# Altium PCB G431_Dev_V2.PcbDoc (part 2 of 2)
Units mil, origin at the board's own origin, x right, y up, seen from the top; angles counter-clockwise.
Board outline 1968.5 x 2618.11 mil, 4 copper layers (Top Layer, G1, G2, Bottom Layer), stack 46.904 mil thick; 148 components, 99 nets, 1156 pads, 217 vias.
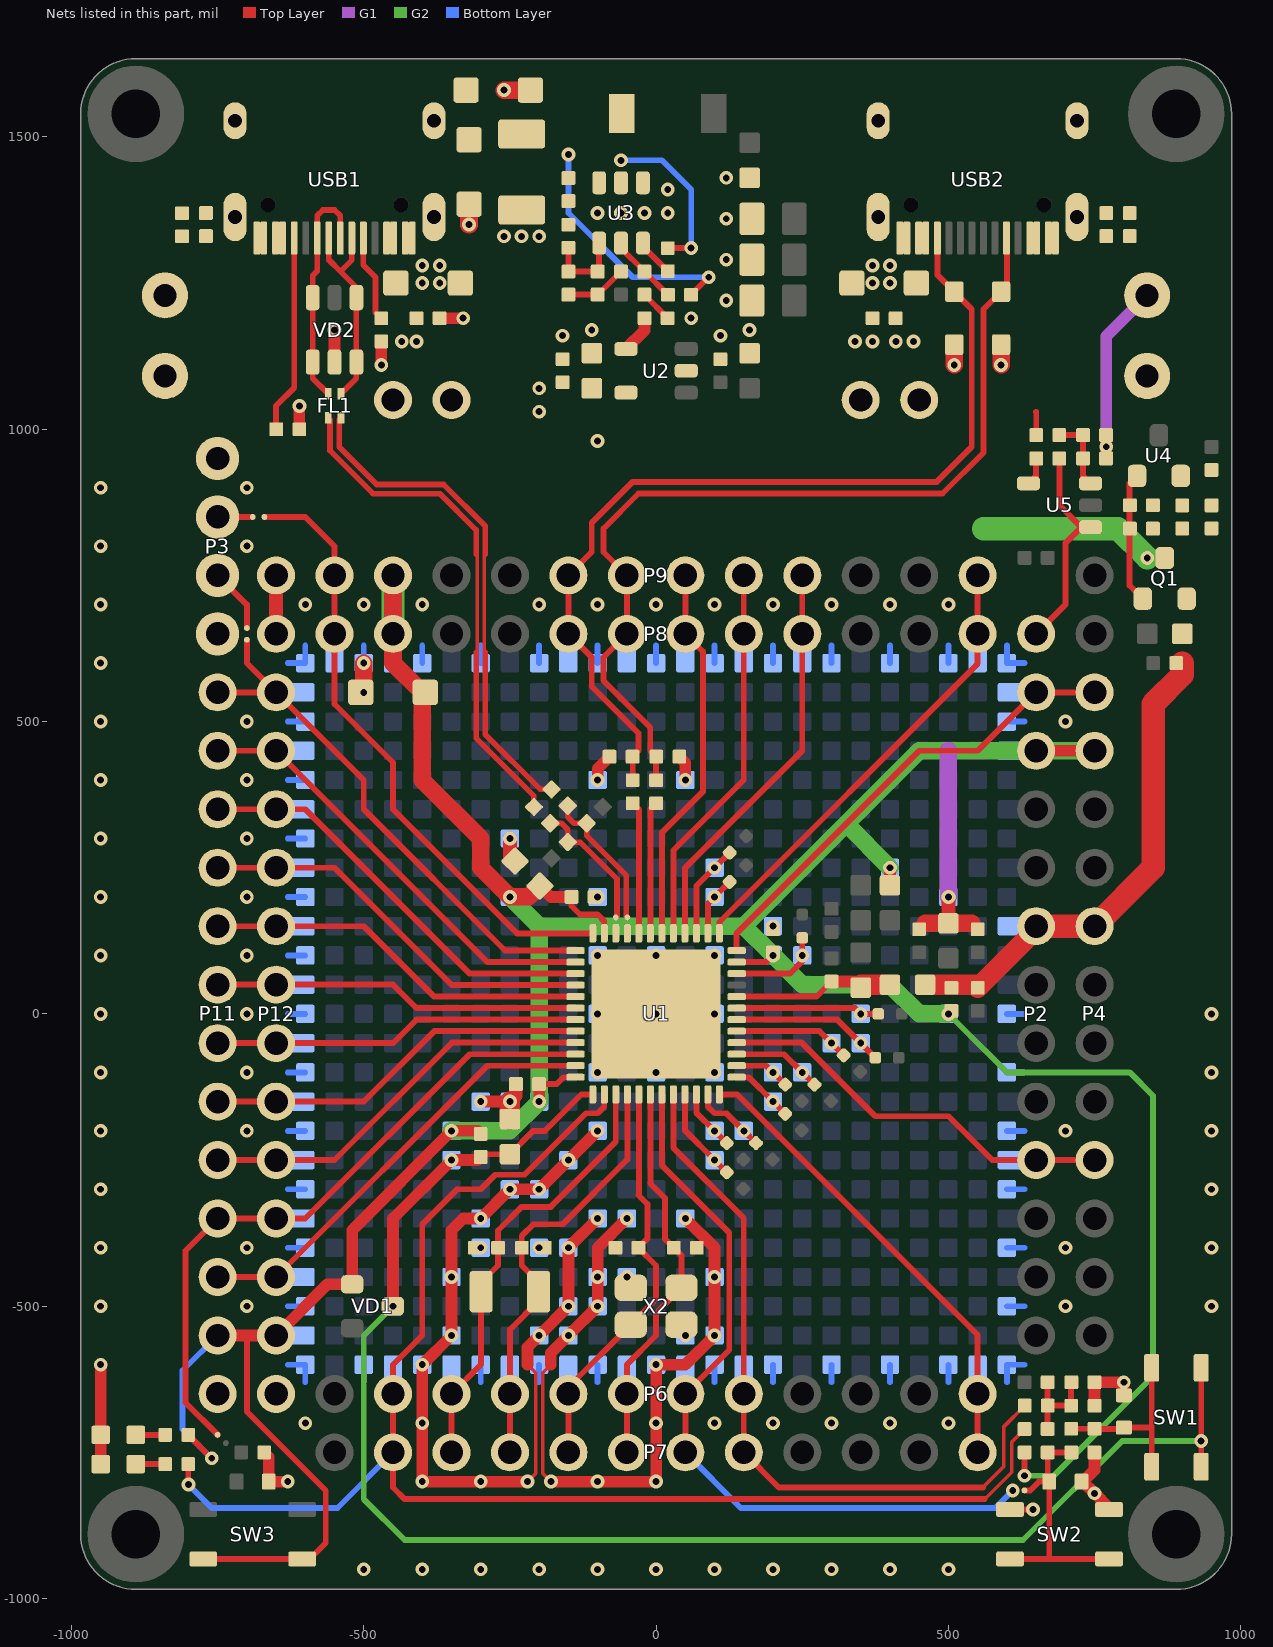
[diagram p4: the nets of this part, all layers, seen from the top]

## Via types
v1: diameter 23.62, hole 11.81, Top Layer to Bottom Layer, tented both sides, 217 vias

## Nets (pads, with @x,y where several pads share a name; then routed paths per layer and width w, separated by ;. In a path a pad name is that pad's centre, name@x,y a point inside that pad or via, vN(x,y) a via of type N, cw(c..) or ccw(c..) an arc to the next point about the centre after c; other vN are vias at no path point) (continued)
GND: C6.1 C7.1 C8.1 C9.1 C10.1 C11.1 C12.1 C13.1 C14.2 C15.2 C16.2 C17.2 C18.2 C19.1 C20.1 C21.2 C22.2 C23.2 C25.2 C26.2 C27.2 C28.2 C29.2 C31.1 C32.2 C33.2 C38.2 C39.2 C40.1 C41.1 D2.1 D3.1 D4.1 D5.1 D6.1 D7.1 D10.1 D11.1 L3.1 LED1.2 LED2.2 P1.2 P3.4 P5.2 P14.1 P14.2 P15.1 P16.2 P17.1 P17.2 pad.@0,0 pad.@0,100 pad.@0,600 pad.@0,-100 pad.@0,-600 pad.@50,400 pad.@50,-350 pad.@50,-550 pad.@100,0 pad.@100,100 pad.@100,600 pad.@100,-100 pad.@100,-450 pad.@100,-550 pad.@100,-600 pad.@200,150 pad.@200,600 pad.@200,-600 pad.@300,600 pad.@300,-600 pad.@400,600 pad.@400,-600 pad.@500,200 pad.@500,600 pad.@500,-600 pad.@600,0 pad.@600,500 pad.@600,600 pad.@600,-100 pad.@600,-200 pad.@600,-300 pad.@600,-400 pad.@600,-500 pad.@600,-600 pad.@-50,-350 pad.@-50,-450 pad.@-100,0 pad.@-100,100 pad.@-100,200 pad.@-100,400 pad.@-100,600 pad.@-100,-100 pad.@-100,-200 pad.@-100,-350 pad.@-100,-450 pad.@-100,-500 pad.@-100,-600 pad.@-150,-250 pad.@-150,-400 pad.@-150,-500 pad.@-150,-550 pad.@-200,600 pad.@-200,-300 pad.@-200,-400 pad.@-200,-550 pad.@-200,-600 pad.@-250,300 pad.@-250,-150 pad.@-250,-300 pad.@-300,600 pad.@-300,-150 pad.@-300,-350 pad.@-300,-400 pad.@-300,-600 pad.@-350,-450 pad.@-350,-550 pad.@-400,600 pad.@-400,-600 pad.@-500,550 pad.@-500,600 pad.@-500,-600 pad.@-600,0 pad.@-600,100 pad.@-600,200 pad.@-600,300 pad.@-600,400 pad.@-600,500 pad.@-600,600 pad.@-600,-100 pad.@-600,-200 pad.@-600,-300 pad.@-600,-400 pad.@-600,-500 pad.@-600,-600 R5.1 R7.2 R9.2 R19.2 R20.2 R28.2 R34.2 R36.1 R49.1 R50.2 SW2.3 SW2.4 U1.49 U2.2 U3.1 USB1.A1 USB1.A12 USB1.B1 USB1.B12 USB2.A1 USB2.A12 USB2.B1 USB2.B12 VD2.2 X2.2 X2.4 | length 6103.9
  Top Layer w6: v1(-220,-800) -206,-786 -206,-614 -220,-600 ; v1(-180,-800) -194,-786 -194,-614 -180,-600
  Top Layer w10: R20.2@-20,1229.69 C33.2@19.68,1190 ; SW2.4@605.35,-847.68 v1@644.84,-847.68
  Top Layer w20: LED2.2@-950,-770 LED1.2@-950,-720 v1(-950,-600) ; R9.2@-670.32,-750 -662.44,-757.87 D4.1@-662.44,-800 v1(-630,-800) ; R50.2@-610.32,1000 -610.32,1039.69 v1(-610,1040) ; VD2.2@-550,1114.88 v1(-550,1170) ; v1(-470,1110) R49.1@-470,1150.31 ; C16.2@-370.32,1190 v1(-330,1190) ; v1(-300,-150) v1(-250,-150) -240,-140 ; v1(-220,-800) v1(-300,-800) v1(-400,-800) v1(-400,-700) v1(-400,-600) v1(-350,-550) v1(-350,-450) -350,-370 -330,-350 v1(-300,-350) v1(-250,-300) v1(-200,-300) v1(-150,-250) v1(-100,-200) ; -220,-600 -220,-570 v1(-200,-550) v1(-150,-500) v1(-150,-400) v1(-100,-350) ; v1(-180,-800) v1(-100,-800) v1(0,-800) v1(0,-700) v1(0,-600) 50,-600 v1(100,-550) v1(100,-450) 100,-400 v1(50,-350) ; -180,-600 -180,-580 v1(-150,-550) v1(-100,-500) v1(-100,-450) -100,-400 v1(-50,-350) ; v1(-100,400) -100,419.69 C31.1@-79.68,440 ; C32.2@39.68,440 50,429.69 v1(50,400) ; C21.2@450,144.69 C21.2@460.31,155 ; R28.2@539.69,155 R28.2@550,144.69 ; C20.1@749.69,-750 749.69,-780.32 730,-800 v1(750,-820) 774.65,-844.65 SW2.3@774.65,-847.68 ; R7.2@750,-670.32 750,-630 v1(800,-630) D2.1@800,-652.44 ; C38.2@769.69,950 R34.2@769.69,990
  Top Layer w23: -240,-140 -239.68,-139.68 C10.1@-239.68,-120
  Top Layer w23.62: P17.1@-650,650 P17.2@-650,750 ; v1(-250,300) -250,270 C7.1@-241.21,261.21 ; L3.1@500,155 v1(500,200)
  Top Layer w30: v1(-500,550) v1(-500,600) ; C21.2@460.31,155 L3.1@500,155 R28.2@539.69,155 ; v1(510,1110) D5.1@510,1144.72 ; v1(590,1110) D6.1@590,1144.72
  Top Layer w35: C6.1@-250,-180 v1(-250,-150)
  G1 w20: v1(770,970) 770,1158.9 P16.2@840,1228.9
  G1 w30: v1(500,200) 500,450
  Bottom Layer w10: -630,-600 pad.@-600,-600 -600,-630 ; -630,-500 pad.@-600,-500 ; -630,-400 pad.@-600,-400 ; -630,-300 pad.@-600,-300 ; -630,-200 pad.@-600,-200 ; -630,-100 pad.@-600,-100 ; -630,0 pad.@-600,0 ; -630,100 pad.@-600,100 ; -630,200 pad.@-600,200 ; -630,300 pad.@-600,300 ; -630,400 pad.@-600,400 ; -630,500 pad.@-600,500 ; -630,600 pad.@-600,600 -600,630 ; -500,-630 pad.@-500,-600 ; v1(-500,600) -500,630 ; -400,-630 v1(-400,-600) ; pad.@-400,600 -400,630 ; -300,-630 pad.@-300,-600 ; pad.@-300,600 -300,630 ; -200,-630 pad.@-200,-600 ; pad.@-200,600 -200,630 ; -100,-630 pad.@-100,-600 ; pad.@-100,600 -100,630 ; 0,-630 v1(0,-600) ; pad.@0,600 0,630 ; 100,-630 pad.@100,-600 ; pad.@100,600 100,630 ; 200,-630 pad.@200,-600 ; pad.@200,600 200,630 ; 300,-630 pad.@300,-600 ; pad.@300,600 300,630 ; 400,-630 pad.@400,-600 ; pad.@400,600 400,630 ; 500,-630 pad.@500,-600 ; pad.@500,600 500,630 ; 600,-630 pad.@600,-600 630,-600 ; pad.@600,-500 630,-500 ; pad.@600,-400 630,-400 ; pad.@600,-300 630,-300 ; pad.@600,-200 630,-200 ; pad.@600,-100 630,-100 ; pad.@600,0 630,0 ; pad.@600,500 630,500 ; 600,630 pad.@600,600 630,600
  other v1: -500,-950 -400,-950 -300,-950 -200,-950 -100,-950 0,-950 100,-950 200,-950 300,-950 400,-950 500,-950 644.87,-847.7 -600,-700 100,-700 200,-700 300,-700 400,-700 500,-700 50,-550 -950,-500 -700,-500 700,-500 950,-500 -50,-450 -950,-400 -700,-400 -300,-400 -200,-400 700,-400 950,-400 -950,-300 950,-300 -950,-200 -700,-200 700,-200 950,-200 -950,-100 -700,-100 -100,-100 0,-100 100,-100 950,-100 -950,0 -700,0 -100,0 0,0 100,0 950,0 -950,100 -700,100 -100,100 0,100 100,100 200,150 -950,200 -700,200 -100,200 -950,300 -700,300 -950,400 -700,400 -950,500 -700,500 700,500 -950,600 -950,700 -600,700 -500,700 -400,700 -200,700 -100,700 0,700 100,700 200,700 300,700 400,700 500,700 -950,800 -700,800 -950,900 -700,900 -100,980 340,1150 370,1150 -160,1160 110,1160 -110,1170 160,1170 60,1190 120,1220 -400,1250 -370,1250 370,1250 400,1250 -400,1280 -370,1280 370,1280 400,1280 120,1290 -260,1330 -230,1330 -200,1330 120,1360 -100,1370 -60,1370 -20,1370 20,1370 20,1410 120,1430
NetC11_2: C11.2 R5.2 USB1.1 USB1.2 USB1.3 USB1.4
NetC19_2: C19.2 R6.1 R23.2 R24.2 R25.2 | length 160.1
  Top Layer w10: R23.2@669.69,-710 669.69,-670.32 R24.2@670,-670 709.69,-670 709.69,-630.63 C19.2@710.31,-630 ; R24.2@669.69,-670 R25.2@669.69,-630
NetC22_1: C22.1 C23.1 D8.2 D9.2 R3.1 U3.3 | length 428.3
  Top Layer w10: R3.1@59.68,1230 89.68,1260 v1(90,1260)
  Bottom Layer w10: v1(-150,1470) -150,1370 -40,1260 v1(90,1260)
NetC24_1: C24.1 U3.6 | length 65.8
  Top Layer w10: U3.6@-22.6,1318.43 -22.6,1312.91 C24.1@20,1270.31
NetC24_2: C24.2 L4.1 U3.2 | length 280.8
  Top Layer w10: C24.2@20,1309.69 20.32,1310 v1(60,1310)
  Bottom Layer w10: v1(-60,1460) 10,1460 60,1410 v1(60,1310)
NetC30_1: C30.1 R1.2 R16.1 | length 106.3
  Top Layer w10: R16.1@-150,1230.31 C30.1@-100,1230.31 -99.37,1230.31 R1.2@-60,1269.69
NetC30_2: C30.2 R16.2 R19.1 U3.4 | length 140.4
  Top Layer w10: R19.1@-150,1310.31 R16.2@-150,1269.69 C30.2@-100,1269.69 -97.4,1272.28 U3.4@-97.4,1318.43
NetC33_1: C33.1 U2.4 | length 65.8
  Top Layer w20: U2.4@-51.57,1137.4 -19.68,1169.29 C33.1@-19.68,1190
NetC34_1: C34.1 R30.1 R31.1 R32.2 U4.2
NetC34_2: C34.2 Q1.1 R29.1 U4.1 | length 224.7
  Top Layer w10: C34.2@810,870 810,907.56 U4.1@822.6,920.16 ; C34.2@810.31,870 810,869.69 810,732.76 Q1.1@832.6,710.16
NetC38_1: C38.1 R33.1 R34.1 U5.3 | length 128.5
  Top Layer w10: R33.1@689.69,990 R34.1@730.31,990 C38.1@730.31,950 730.31,920.24 U5.3@743.15,907.4
NetC40_2: C40.2 R36.2 USB2.1 USB2.2 USB2.3 USB2.4
NetD2_2: D2.2 R6.2 R7.1 SW1.1 SW1.2 | length 307.2
  Top Layer w10: R6.2@710,-710 710.31,-709.68 R7.1@750,-709.68 750.31,-710 D2.2@800,-710 ; D2.2@800,-707.56 847.68,-707.56 ; SW1.1@847.68,-774.65 847.68,-707.56 ; SW1.2@847.68,-605.35 847.68,-707.56
NetLED1_1: LED1.1 R2.2 | length 50.3
  Top Layer w10: LED1.1@-890,-720 R2.2@-839.68,-720
NetLED2_1: LED2.1 R4.2 | length 50.3
  Top Layer w10: LED2.1@-890,-770 R4.2@-839.68,-770
NetP13_1: P13.1 R35.1 U5.1 | length 363.4
  Top Layer w10: P13.1@650,650 700,700 700,805.2 U5.1@727.4,832.6 ; R35.1@689.69,950 689.69,870.31 U5.1@727.4,832.6 ; U5.1@743.15,832.6 U5.1@727.4,832.6
NetR3_2: R3.2 R20.1 U3.5 | length 122.1
  Top Layer w10: U3.5@-60,1318.43 -60,1309.69 R20.1@-20,1269.69 19.68,1230 R3.2@20.32,1230
NetR35_2: R35.2 U5.4 | length 48
  Top Layer w10: U5.4@636.85,907.4 650,920.55 R35.2@650,950
NetR49_2: R49.2 USB1.A5 | length 150.1
  Top Layer w10: USB1.A5@-500.79,1327.05 -500.79,1280.79 -480,1260 -480,1199.69 R49.2@-470,1189.69
NetR50_1: R50.1 USB1.B5 | length 339.9
  Top Layer w10: R50.1@-650,1000 -650,1040 -618.9,1071.1 USB1.B5@-618.9,1327.05
NRST: C20.2 D3.2 NT6.1 R8.2 SW2.1 SW2.2 | length 438.1
  Top Layer w10: SW2.2@605.35,-932.32 672.44,-932.32 ; NT6.1@630,-815 640,-815 655,-800 670,-800 670,-750 C20.2@710.31,-750 ; D3.2@672.44,-800 672.44,-932.32 ; SW2.1@774.65,-932.32 672.44,-932.32
PA0: P6.8 P7.8 pad.@150,-600 pad.@150,-625 R24.1 U1.8 | length 1265.6
  Top Layer w6: 559,-810 595,-774 595,-705.63 R24.1@630.63,-670
  Top Layer w10: U1.8@29.53,-137.79 29.53,-228.75 150,-349.22 P6.8@150,-650 P7.8@150,-750 210,-810 559,-810
PA1: pad.@100,-250 R37.1 U1.9 | length 162.7
  Top Layer w10: U1.9@49.21,-137.79 49.21,-199.21 v1(100,-250) R37.1@120.86,-270.86
PA2: pad.@100,-200 R38.1 U1.10 | length 104.6
  Top Layer w10: U1.10@68.9,-137.79 68.9,-168.9 v1(100,-200) R38.1@120.86,-220.86
PA3: pad.@150,-200 R40.1 U1.11 | length 129.3
  Top Layer w10: U1.11@88.58,-137.79 88.58,-158.58 100,-170 120.78,-170 120.78,-170.78 v1(150,-200) R40.1@170.86,-220.86
PA4: P6.12 P7.12 pad.@550,-600 pad.@550,-625 U1.12 | length 812.9
  Top Layer w10: U1.12@108.27,-137.79 138.57,-137.79 550,-549.22 P6.12@550,-650 P7.12@550,-750
PA5: pad.@200,-150 R42.2 U1.13 | length 109
  Top Layer w10: U1.13@137.8,-108.27 158.27,-108.27 v1(200,-150) R42.2@220.86,-170.86
PA6: pad.@200,-100 R43.2 U1.14 | length 96.4
  Top Layer w10: U1.14@137.8,-88.58 188.58,-88.58 v1(200,-100) R43.2@220.86,-120.86
PA7: pad.@250,-100 R44.2 U1.15 | length 154.6
  Top Layer w10: U1.15@137.8,-68.9 218.9,-68.9 v1(250,-100) R44.2@270.86,-120.86
PA8: P8.7 P9.7 pad.@50,600 pad.@50,625 U1.30 | length 653.7
  Top Layer w10: U1.30@9.84,137.8 9.84,309.84 80,380 80,620 P8.7@50,650 P9.7@50,750
PA9: R10.2 U1.31 | length 226.6
  Top Layer w10: U1.31@-9.84,137.8 -9.84,350.48 R10.2@0,360.31
PA10: R11.2 U1.32 | length 226.9
  Top Layer w10: R11.2@-40,360.31 -29.53,349.85 U1.32@-29.53,137.8
PA11: NT1.1 U1.33
PA12: NT4.1 U1.34 | length 0
PA13: NT2.1 P8.1 P9.1 pad.@-550,600 pad.@-550,625 U1.36 | length 1061.8
  Top Layer w10: NT2.1@-670,850 -600,850 -550,800 P9.1@-550,750 P8.1@-550,650 -550,530 -450,430 -450,350 -237.8,137.8 U1.36@-108.27,137.8
PA14: NT3.1 P11.12 P12.12 pad.@-600,550 pad.@-625,550 U1.37 | length 935.2
  Top Layer w10: P11.12@-750,550 P12.12@-650,550 ; NT3.1@-700,640 -700,600 P12.12@-650,550 ; U1.37@-137.8,108.27 -258.27,108.27 -500,350 -500,400 P12.12@-650,550
PA15: P11.11 P12.11 pad.@-600,450 pad.@-625,450 U1.38 | length 761.9
  Top Layer w10: P11.11@-750,450 P12.11@-650,450 -288.58,88.58 U1.38@-137.8,88.58
PB0: pad.@300,-50 R45.2 U1.17 | length 200.2
  Top Layer w10: U1.17@137.8,-29.53 279.53,-29.53 v1(300,-50) R45.2@320.86,-70.86
PB1: pad.@350,-50 R46.2 U1.18 | length 264.2
  Top Layer w10: U1.18@137.8,-9.84 309.84,-9.84 v1(350,-50) R46.2@375,-75
PB2: pad.@350,0 R47.2 U1.19 | length 246.3
  Top Layer w10: U1.19@137.8,9.84 340.16,9.84 v1(350,0) R47.2@380,0
PB3: P11.8 P12.8 pad.@-600,150 pad.@-625,150 U1.41 | length 662.1
  Top Layer w10: P11.8@-750,150 P12.8@-650,150 -500,150 -379.53,29.53 U1.41@-137.8,29.53
PB4: P11.7 P12.7 pad.@-600,50 pad.@-625,50 U1.42 | length 628.8
  Top Layer w10: P11.7@-750,50 P12.7@-650,50 -450,50 -409.84,9.84 U1.42@-137.8,9.84
PB5: P11.6 P12.6 pad.@-600,-50 pad.@-625,-50 U1.43 | length 628.8
  Top Layer w10: P11.6@-750,-50 P12.6@-650,-50 -450,-50 -409.84,-9.84 U1.43@-137.8,-9.84
PB6: P11.5 P12.5 pad.@-600,-150 pad.@-625,-150 U1.44 | length 662.1
  Top Layer w10: P11.5@-750,-150 P12.5@-650,-150 -500,-150 -379.53,-29.53 U1.44@-137.8,-29.53
PB7: P11.4 P12.4 pad.@-600,-250 pad.@-625,-250 U1.45 | length 695.4
  Top Layer w10: P11.4@-750,-250 P12.4@-650,-250 -550,-250 -349.21,-49.21 U1.45@-137.8,-49.21
PB8/BOOT0: NT5.1 P11.3 P12.3 pad.@-600,-350 pad.@-625,-350 U1.46 | length 1144.2
  Top Layer w10: NT5.1@-750,-720 -805,-665 -805,-405 P11.3@-750,-350 P12.3@-650,-350 -600,-350 -318.9,-68.9 U1.46@-137.8,-68.9
PB9: P11.2 P12.2 pad.@-600,-450 pad.@-625,-450 U1.47 | length 761.9
  Top Layer w10: P11.2@-750,-450 P12.2@-650,-450 -288.58,-88.58 U1.47@-137.8,-88.58
PB10: pad.@250,100 R48.2 U1.22 | length 160.9
  Top Layer w10: U1.22@137.8,68.9 228.9,68.9 250,90 v1(250,100) R48.2@250,130
PB11: P2.12 P4.12 pad.@600,550 pad.@625,550 U1.24 | length 812.5
  Top Layer w10: U1.24@137.8,108.27 137.8,137.8 450,450 550,450 P2.12@650,550 P4.12@750,550
PB12: P8.12 P9.12 pad.@550,600 pad.@550,625 U1.25 | length 795.2
  Top Layer w10: U1.25@108.27,137.8 108.27,157.34 550,599.07 P8.12@550,650 P9.12@550,750
PB13: pad.@100,200 R41.2 U1.26 | length 103.5
  Top Layer w10: U1.26@88.58,137.8 88.58,188.58 v1(100,200) R41.2@125.86,225.86
PB14: pad.@100,250 R39.2 U1.27 | length 161.7
  Top Layer w10: U1.27@68.9,137.8 68.9,218.9 v1(100,250) R39.2@125.86,275.86
PB15: P8.9 P9.9 pad.@250,600 pad.@250,625 U1.28 | length 695.4
  Top Layer w10: U1.28@49.21,137.8 49.21,249.21 250,450 P8.9@250,650 P9.9@250,750
PC4: P2.4 P4.4 pad.@600,-250 pad.@625,-250 U1.16 | length 695.4
  Top Layer w10: U1.16@137.8,-49.21 249.21,-49.21 375,-175 500,-175 575,-250 P2.4@650,-250 P4.4@750,-250
PC6: P8.8 P9.8 pad.@150,600 pad.@150,625 U1.29 | length 662.1
  Top Layer w10: U1.29@29.53,137.8 29.53,279.53 150,400 P8.8@150,650 P9.8@150,750
PC10: P11.10 P12.10 pad.@-600,350 pad.@-625,350 U1.39 | length 728.6
  Top Layer w10: P11.10@-750,350 P12.10@-650,350 -600,350 -318.9,68.9 U1.39@-137.8,68.9
PC11: P11.9 P12.9 pad.@-600,250 pad.@-625,250 U1.40 | length 695.4
  Top Layer w10: P11.9@-750,250 P12.9@-650,250 -550,250 -349.21,49.21 U1.40@-137.8,49.21
PC13: P6.2 P7.2 pad.@-450,-600 pad.@-450,-625 R4.1 R23.1 U1.2 | length 2486
  Top Layer w6: 562,-830 608,-784 608,-732.32 R23.1@630.31,-710
  Top Layer w10: R4.1@-800.32,-770 -800.32,-804.68 v1(-800,-805) ; P7.2@-450,-760 -450,-810 -430,-830 562,-830 ; P7.2@-450,-750 P6.2@-450,-650 -450,-600 -400,-550 -400,-360 -340,-300 -300,-300 -275,-275 -225,-275 -120,-170 -100,-170 -88.58,-158.58 U1.2@-88.58,-137.79
  Bottom Layer w10: v1(-800,-805) -760,-845 -545,-845 P7.2@-450,-750
PC14: C15.1 P6.3 P7.3 pad.@-350,-600 pad.@-350,-625 U1.3 X1.1 | length 757.9
  Top Layer w10: P7.3@-350,-750 P6.3@-350,-650 -299.21,-599.21 X1.1@-299.21,-475 -299.21,-459.21 -270.32,-430.32 C15.1@-270.32,-400 -270.32,-370.32 -230,-330 -180,-330 -68.9,-218.9 U1.3@-68.9,-137.79
PC15: C14.1 P6.4 P7.4 pad.@-250,-600 pad.@-250,-625 U1.4 X1.2 | length 748.6
  Top Layer w10: P7.4@-250,-750 P6.4@-250,-650 -250,-540 -200.79,-490.79 X1.2@-200.79,-475 -200.79,-459.21 -229.68,-430.32 C14.1@-229.68,-400 -229.68,-379.68 -209.68,-359.68 -159.68,-359.68 -49.21,-249.21 U1.4@-49.21,-137.79
PF0: C18.1 P6.5 P7.5 pad.@-150,-600 pad.@-150,-625 U1.5 X2.1 | length 699.4
  Top Layer w10: P7.5@-150,-750 P6.5@-150,-650 -150,-638.19 X2.1@-43.31,-531.5 0,-488.19 0,-430.32 C18.1@-30.32,-400 -15,-384.68 -15,-325 -30,-310 ; -29.53,-310 U1.5@-29.53,-137.79
PF1: C17.1 P6.6 P7.6 pad.@-50,-600 pad.@-50,-625 U1.6 X2.3 | length 672.9
  Top Layer w10: P7.6@-50,-750 P6.6@-50,-650 -50,-600 0,-550 0,-511.81 X2.3@43.31,-468.5 43.31,-412.99 C17.1@30.32,-400 15,-384.68 15,-315 -9.84,-290.16 U1.6@-9.84,-137.79
PG10/NRST: NT6.2 P6.7 P7.7 pad.@50,-600 pad.@50,-625 U1.7 | length 1302.7
  Top Layer w10: U1.7@9.84,-137.79 9.84,-259.06 125,-374.22 125,-575 P6.7@50,-650 P7.7@50,-750
  Bottom Layer w10: P7.7@50,-750 145,-845 580,-845 v1(610,-815)
SWCLK: NT3.2 P3.3 | length 110.7
  Top Layer w10: P3.3@-750,750 -700,700 NT3.2@-700,660
SWDIO: NT2.2 P3.2 | length 60
  Top Layer w10: P3.2@-750,850 NT2.2@-690,850
USBFS_D0_N: NT1.2 R12.2 R14.2 | length 245.7
  Top Layer w9.53: R12.2@-151.08,356.08 -151.08,337.06 -140.1,326.08 R14.2@-118.92,326.08 -118.92,304.9 -51.29,237.27 -51.29,167.08 NT1.2@-49.21,165
USBFS_D0_P: NT4.2 R13.2 R15.2 | length 232.8
  Top Layer w9.53: R13.2@-181.08,326.08 -162.06,326.08 -151.08,315.1 R15.2@-151.08,293.92 -129.9,293.92 -66.82,230.84 -66.82,167.08 NT4.2@-68.9,165
USBFS_D1_N: FL1.4 R12.1 | length 866.7
  Top Layer w6: -292.24,618.23 -294,620 -294,784.5 -292.24,786.27
  Top Layer w9.53: FL1.4@-539.17,1019.33 -542.24,1016.27 -542.24,970 -477.76,905.53 -363.57,905.53 -292.24,834.2 -292.24,786.27 ; -292.24,618.23 -292.24,478.22 -197.94,383.92 R12.1@-178.92,383.92
USBFS_D1_P: FL1.1 R13.1 | length 879.5
  Top Layer w6: -307.76,618.23 -306,620 -306,784.5 -307.76,786.27
  Top Layer w9.53: FL1.1@-560.83,1019.33 -557.76,1016.27 -557.76,963.57 -484.2,890 -370,890 -307.76,827.77 -307.76,786.27 ; -307.76,618.23 -307.76,471.78 -208.92,372.94 R13.1@-208.92,353.92
USBFS_D2_N: FL1.3 USB1.A7 USB1.B7 VD2.3 VD2.4 | length 362.1
  Top Layer w9.53: USB1.A7@-559.84,1327.05 -559.84,1289.84 -540,1270 ; FL1.3@-539.17,1060.67 -512.6,1087.24 VD2.3@-512.6,1114.88 VD2.4@-512.6,1225.12 -512.6,1242.6 -540,1270 ; USB1.B7@-520.47,1327.05 -520.47,1289.53 -540,1270
USBFS_D2_P: FL1.2 USB1.A6 USB1.B6 VD2.1 VD2.6 | length 404.6
  Top Layer w9.53: FL1.2@-560.83,1060.67 -587.4,1087.24 VD2.1@-587.4,1114.88 VD2.6@-587.4,1225.12 -587.4,1262.6 -579.53,1270.47 USB1.B6@-579.53,1327.05 -579.53,1365.47 -570,1375 -550,1375 -540.16,1365.16 USB1.A6@-540.16,1327.05
USBFS_VBUS: C16.1 D7.2 D9.1 P5.1 P15.2 Q1.3 R29.2 USB1.A4 USB1.A9 USB1.B4 USB1.B9 | length 335.6
  Top Layer w30: v1(-320,1350) D9.1@-320,1384.88
  G2 w40: 560,830 790,830 v1(840,780)
  other v1: -435,1150 -410,1150
USBPD_CC1: C32.1 D6.2 P8.6 P9.6 pad.@-50,600 pad.@-50,625 R10.1 USB2.A5 | length 1588.8
  Top Layer w10: R10.1@0,399.69 0,439.69 C32.1@0.32,440 -10,450.31 -10,490 -90,570 -90,610 P8.6@-50,650 P9.6@-50,750 -90,790 -90,830 -30,890 490,890 560,960 560,1205.28 D6.2@590,1235.28 600,1245.28 600,1326.26 USB2.A5@599.21,1327.05
USBPD_CC2: C31.2 D5.2 P8.5 P9.5 pad.@-150,600 pad.@-150,625 R11.1 USB2.B5 | length 1596.3
  Top Layer w10: R11.1@-40,399.69 -40,439.69 C31.2@-40.32,440 -30,450.31 -30,480 -110,560 -110,610 P8.5@-150,650 P9.5@-150,750 -110,790 -110,840 -40,910 480,910 540,970 540,1205.28 D5.2@510,1235.28 481.1,1264.17 USB2.B5@481.1,1327.05
USBPD_VBUS: C39.1 D8.1 D10.2 P1.1 P16.1 R33.2 USB2.A4 USB2.A9 USB2.B4 USB2.B9 | length 85.2
  Top Layer w10: 650,1030 650.31,1029.69 R33.2@650.31,990
  Top Layer w30: v1(-260,1580) D8.1@-214.88,1580
  other v1: 410,1150 440,1150
VBAT: C6.2 pad.@-350,-250 pad.@-450,-500 R27.2 SW1.3 SW1.4 U1.1 VD1.3 | length 2631.2
  Top Layer w10: R27.2@-300,-244.68 -295.32,-240 C6.2@-250,-240 -210,-200 -190,-200 -127.79,-137.79 U1.1@-108.27,-137.79 ; SW1.3@932.32,-774.65 v1(932.27,-730.36) v1(932.27,-730.36) 932.32,-730.3 SW1.4@932.32,-605.35
  Top Layer w20: v1(-450,-500) -450,-350 v1(-350,-250) -305.32,-250 R27.2@-300,-244.68
  G2 w10: v1(-450,-500) -500,-550 -500,-830 -430,-900 627.65,-900 797.3,-730.36 v1(932.27,-730.36)
VDD: C7.2 C8.2 C9.2 C10.2 C13.2 C29.1 D11.2 L2.1 P2.11 P3.1 P4.11 P8.2 P9.2 P11.1 P12.1 pad.@200,100 pad.@400,250 pad.@500,0 pad.@600,450 pad.@625,450 pad.@-200,-150 pad.@-250,200 pad.@-350,-200 pad.@-450,600 pad.@-450,625 pad.@-600,-550 pad.@-625,-550 R2.1 R8.1 R26.1 R27.1 SW3.3 SW3.4 U1.23 U1.35 U1.48 U2.5 VD1.1 | length 6196.9
  Top Layer w10: R2.1@-800.32,-720 -760.32,-760 v1(-760,-760) ; SW3.3@-774.65,-932.32 SW3.4@-605.35,-932.32 -592.32,-932.32 -565,-905 -565,-815 -700,-680 -700,-550 ; C10.2@-190.32,-120 -170,-120 -158.27,-108.27 U1.48@-137.8,-108.27 ; C8.2@-144.68,200 -144.68,184.69 -130,170 -100,170 -88.58,158.58 U1.35@-88.58,137.8 ; U1.23@137.8,88.58 188.58,88.58 v1(200,100) ; v1(630,-790) 630,-750.32 R8.1@630.31,-750
  Top Layer w20: P11.1@-750,-550 -700,-550 P12.1@-650,-550 -562.6,-462.6 VD1.1@-519.84,-462.6 -519.84,-369.84 v1(-350,-200) -305.32,-200 R27.1@-300,-205.32 ; v1(-200,-150) C10.2@-200,-120 ; C7.2@-198.79,218.79 -180,200 C8.2@-144.68,200 ; L2.1@400,220 v1(400,250) ; v1(500,0) 505,5 R26.1@505,5.32 ; P2.11@650,450 P4.11@750,450
  Top Layer w30: P9.2@-450,750 P8.2@-450,650 -450,600 -400,550 -400,400 -300,300 -300,250 v1(-250,200) -217.57,200 C7.2@-198.79,218.79
  G2 w10: v1(500,0) 600,-100 810,-100 850,-140 850,-620 680,-790 v1(630,-790)
  G2 w30: v1(-350,-200) -250,-200 v1(-200,-150) -200,150 ; v1(-250,200) -200,150 ; v1(400,250) 325,325 ; v1(500,0) 450,0 400,50 250,50 v1(200,100) 150,150 ; P4.11@750,450 P2.11@650,450 450,450 325,325 ; -200,150 150,150 ; 150,150 325,325
  G2 w40: P8.2@-450,650 P9.2@-450,750
  Bottom Layer w10: v1(-760,-760) -760.32,-760 -810,-710.32 -810,-610 P11.1@-750,-550
  other v1: -200,1030 -200,1070
VREF: C2.2 C35.1 C36.1 L1.1 P2.8 P4.8 pad.@600,150 pad.@625,150 Q1.2 R26.2 R30.2 R31.2 | length 833.6
  Top Layer w35: L1.1@470,50 R26.2@500,50 ; R26.2@505.31,50 C2.2@550,50 ; C2.2@550,44.68 650,144.69 P2.8@650,150
  Top Layer w40: P2.8@650,150 P4.8@750,150 850,250 850,530 900,580 C35.1@900,600
VREFP: C1.1 C5.1 L1.2 U1.20 | length 267.2
  Top Layer w10: U1.20@137.8,29.53 274.22,29.53 292.34,47.66 C5.1@300,55.32
  Top Layer w20: C5.1@300,55.32 339.69,55.32 C1.1@350,45
  Top Layer w35: C1.1@350,50 L1.2@390,50
pads on no net: H1.1 H2.1 H3.1 H4.1 USB1.0 USB1.A8 USB1.B8 USB2.0 USB2.A6 USB2.A7 USB2.A8 USB2.B6 USB2.B7 USB2.B8 VD2.5

## Polygon pours and split planes (outlines as drawn)
VREF on Top Layer "LED-" (solid, remove dead copper, pour order 44): 960,840 960,730 920,690 920,580 880,580 880,720 890,730 890,840
AGND on Top Layer "LED-" (solid, remove dead copper, pour order 76): 860,590 860,680 740,680 720,660 720,640 740,620 780,620 810,590
NetC34_1 on Top Layer "LED-" (solid, remove dead copper, pour order 56): 960,860 915,860 840,860 840,940 960,940
NetC11_2 on Top Layer "LED-" (solid, remove dead copper, pour order 55): -990,1360 -360,1360 -360,1670 -990,1670
USBPD_VBUS on Top Layer "LED-" (solid, remove dead copper, pour order 54): 655,1305 655,1400 625,1430 475,1430 445,1400 445,1245.12 465,1245.12 465,1365 495,1395 605,1395 635,1365 635,1305
USBPD_VBUS on Top Layer "LED-" (solid, remove dead copper, pour order 53): 635,1355 635,1020 1010,1020 1010,1155 790,1155 655,1290 655,1355
GND on Top Layer "LED-" (solid, remove dead copper, pour order 52): 665,1355 665,1295 795,1165 1015,1165 1015,1340 705,1340 690,1355
GND on Top Layer "LED-" (solid, remove dead copper, pour order 51): 190,1450 -30,1450 -40,1440 -40,1400 -50,1390 -110,1390 -120,1400 -280,1400 -280,1300 -130,1300 -130,1330 -110,1350 -10,1350 30,1310 30,1085 65,1085 90,1110 190,1110
3V6 on Top Layer "LED-" (solid, remove dead copper, pour order 50): 60,1470 210,1470 210,1080 300,1080 300,1320 350,1320 350,1660 60,1660
NetC24_2 on Top Layer "LED-" (solid, remove dead copper, pour order 49): -70,1400 -70,1440 -100,1470 -100,1660 -20,1660 -20,1470 -50,1440 -50,1400
USBFS_VBUS on Top Layer "LED-" (solid, remove dead copper, pour order 48): -655,1305 -655,1400 -625,1430 -475,1430 -445,1400 -445,1245.12 -465,1245.12 -465,1365 -495,1395 -605,1395 -635,1365 -635,1305
USBFS_VBUS on Top Layer "LED-" (solid, remove dead copper, pour order 46): -635,1355 -635,1085 -700,1020 -1010,1020 -1010,1155 -790,1155 -655,1290 -655,1355
GND on Top Layer "LED-" (solid, remove dead copper, pour order 45): -665,1355 -665,1295 -795,1165 -1015,1165 -1015,1340 -705,1340 -690,1355
GND on Top Layer "LED-" (solid, remove dead copper, pour order 67): -410,1355 -410,1330 -390,1310 -310,1310 -310,1010 -385,1010 -385,1205 -410,1230 -410,1275 -435,1300 -435,1355
USBFS_VBUS on Top Layer "LED-" (solid, remove dead copper, pour order 72): 820,760 820,800 840,820 840,840 860,840 860,820 880,800 880,760
AGND on Top Layer "LED-" (solid, remove dead copper, pour order 71): 960,1010 830,1010 830,950 960,950
GND on Top Layer "LED-" (solid, remove dead copper, pour order 64): 40,1310 -350,1310 -350,1110 -90,1110 -70,1090 40,1090
USBFS_VBUS on Top Layer "LED-" (solid, remove dead copper, pour order 69): -445,1295 -420,1270 -420,1225 -395,1200 -395,1010 -490,1010 -490,1060 -450,1100 -450,1205 -465,1220 -465,1295
USBPD_VBUS on Top Layer "LED-" (solid, remove dead copper, pour order 68): 445,1295 420,1270 420,1225 395,1200 395,1010 490,1010 490,1080 465,1105 465,1295
3V6 on Top Layer "LED-" (solid, remove dead copper, pour order 62): 300,1090 90,1090 75,1075 30,1075 30,1010 300,1010
VDD on Top Layer "LED-" (solid, remove dead copper, pour order 63): -30,1080 -80,1080 -90,1090 -290,1090 -290,1010 -30,1010
NetC40_2 on Top Layer "LED-" (solid, remove dead copper, pour order 60): 990,1360 360,1360 360,1670 990,1670
NetC22_1 on Top Layer "LED-" (solid, remove dead copper, pour order 59): -80,1440 -80,1410 -90,1400 -110,1400 -130,1420 -350,1420 -350,1640 -290,1640 -290,1570 -260,1540 -180,1540
GND on Top Layer "LED-" (solid, remove dead copper, pour order 58): 410,1355 410,1330 390,1310 310,1310 310,1010 385,1010 385,1205 410,1230 410,1275 435,1300 435,1355
AGND on Bottom Layer "LED-" (solid, remove dead copper, pour order 30): 220,190 220,110 260,70 410,70 460,20 500,20 540,-20 560,-20 630,50 1020,50 1020,1020 600,1020 600,650 700,650 700,600 750,600 750,430 460,430
GND on Bottom Layer "LED-" (solid, remove dead copper, pour order 75): -1000,-1000 1000,-1000 1000,1650 -1000,1650
USBFS_VBUS on G2 "LED-" (solid, remove dead copper, pour order 43): -300,1000 -990,1000 -990,1160 -300,1160
USBPD_VBUS on G2 "LED-" (solid, remove dead copper, pour order 81): 210,1160 210,1000 990,1000 990,1160 460,1160
VDD on G2 "LED-" (solid, remove dead copper, pour order 66): -130,130 -130,-110 -380,-360 -380,-415 -555,-590 -790,-590 -790,-510 -610,-510 -570,-470 -570,570 -530,570 -490,610 -490,810 -410,810 -410,610 -370,570 570,570 570,470 750,470 750,440 610,440 450,440 140,130
VDD on G2 "LED-" (solid, remove dead copper, pour order 70): -150,1100 -150,810 -410,810 -410,790 -450,750 -490,790 -490,810 -670,810 -670,910 -790,910 -790,990 -290,990 -290,1100
USBFS_VBUS on G2 "LED-" (solid, remove dead copper, pour order 42): -450,1230 -350,1230 -350,1380 -280,1380 -280,1230 20,1230 20,990 590,990 590,810 -140,810 -140,1110 -450,1110
USBPD_VBUS on G2 "LED-" (solid, remove dead copper, pour order 80): -300,1530 210,1530 210,1150 390,1150 390,1110 470,1110 470,1230 330,1230 330,1660 -300,1660
AVDD on G2 "LED-" (solid, remove dead copper, pour order 79): 230,230 230,70 250,50 400,50 450,0 500,0 520,-20 560,-20 630,50 1020,50 1020,1020 600,1020 600,650 700,650 700,600 750,600 750,450 450,450 300,300
GND on G2 "LED-" (solid, remove dead copper, pour order 82): -1000,-1000 1000,-1000 1000,1650 -1000,1650
AGND on G1 "LED-" (solid, remove dead copper, pour order 77): 230,200 230,100 260,70 410,70 460,20 500,20 540,-20 560,-20 630,50 1020,50 1020,1020 600,1020 600,650 700,650 700,600 750,600 750,430 460,430
GND on G1 "LED-" (solid, remove dead copper, pour order 78): -1000,-1000 1000,-1000 1000,1650 -1000,1650

## Other copper
Bottom Layer:
  pour cut-out: 625,-625 -625,-625 -625,625 625,625
Multi-Layer:
  pour cut-out: -795.28,-889.76 ccw(c-889.76,-889.76) -889.76,-795.28 -984.25,-795.28 -984.25,-984.25 -795.28,-984.25
  pour cut-out: 795.28,1539.37 ccw(c889.76,1539.37) 889.76,1444.88 984.25,1444.88 984.25,1633.86 795.28,1633.86
  pour cut-out: 889.76,-795.28 ccw(c889.76,-889.76) 795.28,-889.76 795.28,-984.25 984.25,-984.25 984.25,-795.28
  pour cut-out: -889.76,1444.88 ccw(c-889.76,1539.37) -795.28,1539.37 -795.28,1633.86 -984.25,1633.86 -984.25,1444.88

## Silkscreen, mask and mechanical layers (free items; w line width, h text height)
Top Overlay:
  lines w5.91: -415,1130 -420,1110 ; -400,1115 -420,1110 ; -285,1150 -380,1150 -420,1110
  text "GND" at -630,1169.35 h38 r90
  text "GND" at 690,1169.35 h38 r90
  text "VFS" at -220,1129.35 h38 r90
  text "VFS" at -630,1029.35 h38 r90
  text "VPD" at 690,1029.35 h38 r90
  text "GND" at -220,989.35 h38 r90
  text "GND" at 280,989.35 h38 r90
  text "VPD" at 580,989.35 h38 r90
  text "VDD" at -970,922.01 h38
  text "DIO" at -970,822.01 h38
  text "GND" at -620,820 h38 r90
  text "PA13" at -519.84,820 h38 r90
  text "VDD" at -419.84,820 h38 r90
  text "PA12" at -319.84,820 h38 r90
  text "PA11" at -220,820 h38 r90
  text "PA10" at -120,820 h38 r90
  text "PA9" at -20,820 h38 r90
  text "PA8" at 80,820 h38 r90
  text "PC6" at 180,820 h38 r90
  text "PB15" at 280,820 h38 r90
  text "PB14" at 380,820 h38 r90
  text "PB13" at 480,820 h38 r90
  text "PB12" at 580,820 h38 r90
  text "SCK" at -970,722.01 h38
  text "V" at 612.29,708.88 h31.5
  text "G" at 652.29,708.88 h31.5
  text "GND" at -970,622.01 h38
  text "PA14" at -970,516.71 h38
  text "PB11" at 810,516.71 h38
  text "G431CBU6" at -215,492.5 h100
  text "PA15" at -970,416.71 h38
  text "VDD" at 810,416.71 h38
  text "PC10" at -970,316.71 h38
  text "PB10" at 810,316.71 h38
  text "PC11" at -970,216.71 h38
  text "VDDA" at 810,216.87 h38
  text "PB3" at -970,116.71 h38
  text "VREF" at 810,116.87 h38
  text "PB4" at -970,16.71 h38
  text "PB2" at 810,16.87 h38
  text "PB5" at -970,-83.29 h38
  text "PB1" at 810,-83.13 h38
  text "PB6" at -970,-183.29 h38
  text "PB0" at 810,-183.13 h38
  text "PB7" at -970,-283.29 h38
  text "PC4" at 810,-283.13 h38
  text "PB8" at -970,-383.13 h38
  text "PA7" at 810,-383.13 h38
  text "PB9" at -970,-483.13 h38
  text "PA6" at 810,-483.13 h38
  text "VDD" at -970,-583.13 h38
  text "v1.0" at 430,-583.29 h38
  text "PA5" at 810,-583.13 h38
  text "GND" at -970,-690.49 h38
  text "W" at 785,-781.65 h31.5
  text "B" at -770,-816.65 h31.5
  text "R" at 750,-816.65 h31.5
  text "VBAT" at -519.84,-970 h38 r90
  text "PC13" at -419.84,-970 h38 r90
  text "PC14" at -319.84,-970 h38 r90
  text "PC15" at -219.84,-970 h38 r90
  text "PF0" at -119.84,-970 h38 r90
  text "PF1" at -19.84,-970 h38 r90
  text "PG10" at 80.16,-970 h38 r90
  text "PA0" at 180.16,-970 h38 r90
  text "PA1" at 280.16,-970 h38 r90
  text "PA2" at 380,-970 h38 r90
  text "PA3" at 480,-970 h38 r90
  text "PA4" at 580,-970 h38 r90
Bottom Overlay:
  drawing of 696 lines, arcs and shapes, not listed
  text "JLCJLCJLCJLC" at 231.59,1190 h38
  text "GND" at -690,1169.35 h38 r270
  text "GND" at 630,1169.35 h38 r270
  text "VFS" at -690,1029.35 h38 r270
  text "VPD" at 630,1029.35 h38 r270
  text "VFS" at -580,989.35 h38 r270
  text "GND" at -280,989.35 h38 r270
  text "GND" at 220,989.35 h38 r270
  text "VPD" at 520,989.35 h38 r270
  text "VDD" at -820,922.01 h38
  text "DIO" at -820,822.01 h38
  text "GND" at -680,820 h38 r270
  text "PA13" at -579.84,820 h38 r270
  text "VDD" at -479.84,820 h38 r270
  text "PA12" at -379.84,820 h38 r270
  text "PA11" at -280,820 h38 r270
  text "PA10" at -180,820 h38 r270
  text "PA9" at -80,820 h38 r270
  text "PA8" at 20,820 h38 r270
  text "PC6" at 120,820 h38 r270
  text "PB15" at 220,820 h38 r270
  text "PB14" at 320,820 h38 r270
  text "PB13" at 420,820 h38 r270
  text "PB12" at 520,820 h38 r270
  text "SCK" at -820,722.01 h38
  text "GND" at -820,622.01 h38
  text "PA14" at -820,516.71 h38
  text "PB11" at 970,516.71 h38
  text "PA15" at -820,416.71 h38
  text "VDD" at 970,416.71 h38
  text "PC10" at -820,316.71 h38
  text "PB10" at 970,316.71 h38
  text "PC11" at -820,216.71 h38
  text "VDDA" at 970,216.87 h38
  text "PB3" at -820,116.71 h38
  text "VREF" at 970,116.87 h38
  text "PB4" at -820,16.71 h38
  text "PB2" at 970,16.87 h38
  text "PB5" at -820,-83.29 h38
  text "PB1" at 970,-83.13 h38
  text "PB6" at -820,-183.29 h38
  text "PB0" at 970,-183.13 h38
  text "PB7" at -820,-283.29 h38
  text "PC4" at 970,-283.13 h38
  text "PB8" at -820,-383.13 h38
  text "PA7" at 970,-383.13 h38
  text "PB9" at -820,-483.13 h38
  text "PA6" at 970,-483.13 h38
  text "VDD" at -820,-583.13 h38
  text "PA5" at 970,-583.13 h38
  text "GND" at -820,-690.49 h38
  text "VBAT" at -579.84,-970 h38 r270
  text "PC13" at -479.84,-970 h38 r270
  text "PC14" at -379.84,-970 h38 r270
  text "PC15" at -279.84,-970 h38 r270
  text "PF0" at -179.84,-970 h38 r270
  text "PF1" at -79.84,-970 h38 r270
  text "PG10" at 20.16,-970 h38 r270
  text "PA0" at 120.16,-970 h38 r270
  text "PA1" at 220.16,-970 h38 r270
  text "PA2" at 320,-970 h38 r270
  text "PA3" at 420,-970 h38 r270
  text "PA4" at 520,-970 h38 r270
Bottom Solder:
  region: 71,623 ccw(c50,650) 29,623
  region: 171,623 ccw(c150,650) 129,623
  region: 271,623 ccw(c250,650) 229,623
  region: 371,623 ccw(c350,650) 329,623
  region: 571,623 ccw(c550,650) 529,623
  region: 471,623 ccw(c450,650) 429,623
  region: -529,623 ccw(c-550,650) -571,623
  region: -429,623 ccw(c-450,650) -471,623
  region: -329,623 ccw(c-350,650) -371,623
  region: -229,623 ccw(c-250,650) -271,623
  region: -29,623 ccw(c-50,650) -71,623
  region: -129,623 ccw(c-150,650) -171,623
  region: -623,71 ccw(c-650,50) -623,29
  region: -623,171 ccw(c-650,150) -623,129
  region: -623,271 ccw(c-650,250) -623,229
  region: -623,371 ccw(c-650,350) -623,329
  region: -623,571 ccw(c-650,550) -623,529
  region: -623,471 ccw(c-650,450) -623,429
  region: -623,-529 ccw(c-650,-550) -623,-571
  region: -623,-429 ccw(c-650,-450) -623,-471
  region: -623,-329 ccw(c-650,-350) -623,-371
  region: -623,-229 ccw(c-650,-250) -623,-271
  region: -623,-29 ccw(c-650,-50) -623,-71
  region: -623,-129 ccw(c-650,-150) -623,-171
  region: -71,-623 ccw(c-50,-650) -29,-623
  region: -171,-623 ccw(c-150,-650) -129,-623
  region: -271,-623 ccw(c-250,-650) -229,-623
  region: -371,-623 ccw(c-350,-650) -329,-623
  region: -571,-623 ccw(c-550,-650) -529,-623
  region: -471,-623 ccw(c-450,-650) -429,-623
  region: 529,-623 ccw(c550,-650) 571,-623
  region: 429,-623 ccw(c450,-650) 471,-623
  region: 329,-623 ccw(c350,-650) 371,-623
  region: 229,-623 ccw(c250,-650) 271,-623
  region: 29,-623 ccw(c50,-650) 71,-623
  region: 129,-623 ccw(c150,-650) 171,-623
  region: 623,-71 ccw(c650,-50) 623,-29
  region: 623,-171 ccw(c650,-150) 623,-129
  region: 623,-271 ccw(c650,-250) 623,-229
  region: 623,-371 ccw(c650,-350) 623,-329
  region: 623,-571 ccw(c650,-550) 623,-529
  region: 623,-471 ccw(c650,-450) 623,-429
  region: 623,129 ccw(c650,150) 623,171
  region: 623,29 ccw(c650,50) 623,71
  region: 623,229 ccw(c650,250) 623,271
  region: 623,329 ccw(c650,350) 623,371
  region: 623,429 ccw(c650,450) 623,471
  region: 623,529 ccw(c650,550) 623,571
Mechanical 1:
  the board outline again, w7.87
Mechanical 14:
  lines w4: 623,529 ccw(c650,550) 623,571 623,529
  text "BOOT0" at -1210,-384.32 h38
  text "OSC32_IN" at -309.84,-1350 h38 r90
  text "OSC32_OUT" at -209.84,-1350 h38 r90
  text "OSC_IN" at -109.84,-1350 h38 r90
  text "OSC_OUT" at -9.84,-1350 h38 r90
  text "NRST" at 90.16,-1350 h38 r90
Drill Drawing:
  text ".Legend" at -984.09,1740.82 h27.56

## Text inside footprints (layer, text, board x,y; h text height)
U1: Mechanical 13 "*" at -93.11,-132.5 h50 r90